# Altium PCB 摄像头.PcbDoc
Units mil, origin at the board's own origin, x right, y up, seen from the top; angles counter-clockwise.
Board outline 1047.24 x 826.77 mil, 2 copper layers (Top Layer, Bottom Layer); 23 components, 26 nets, 113 pads, 29 vias.
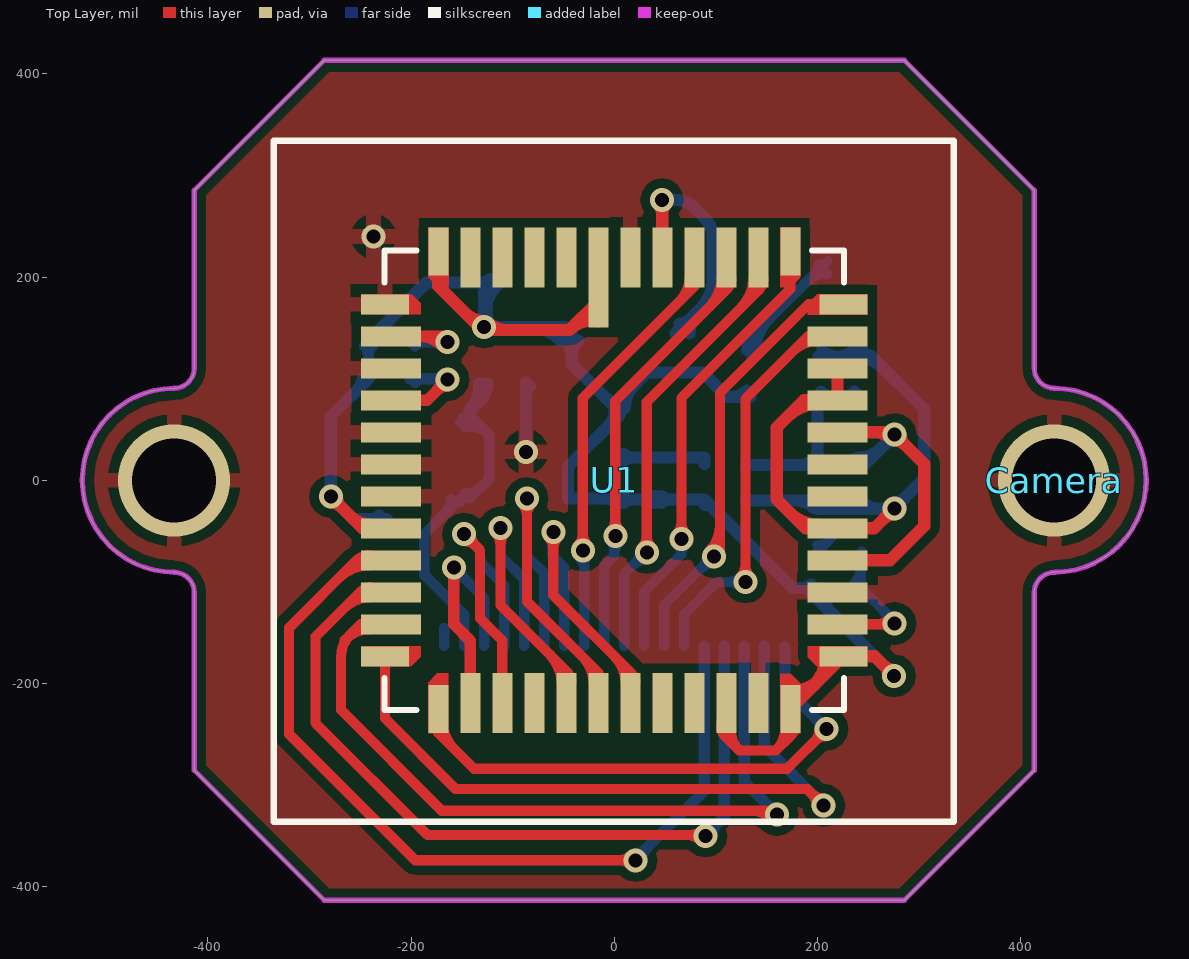
[diagram p0: Top Layer view]
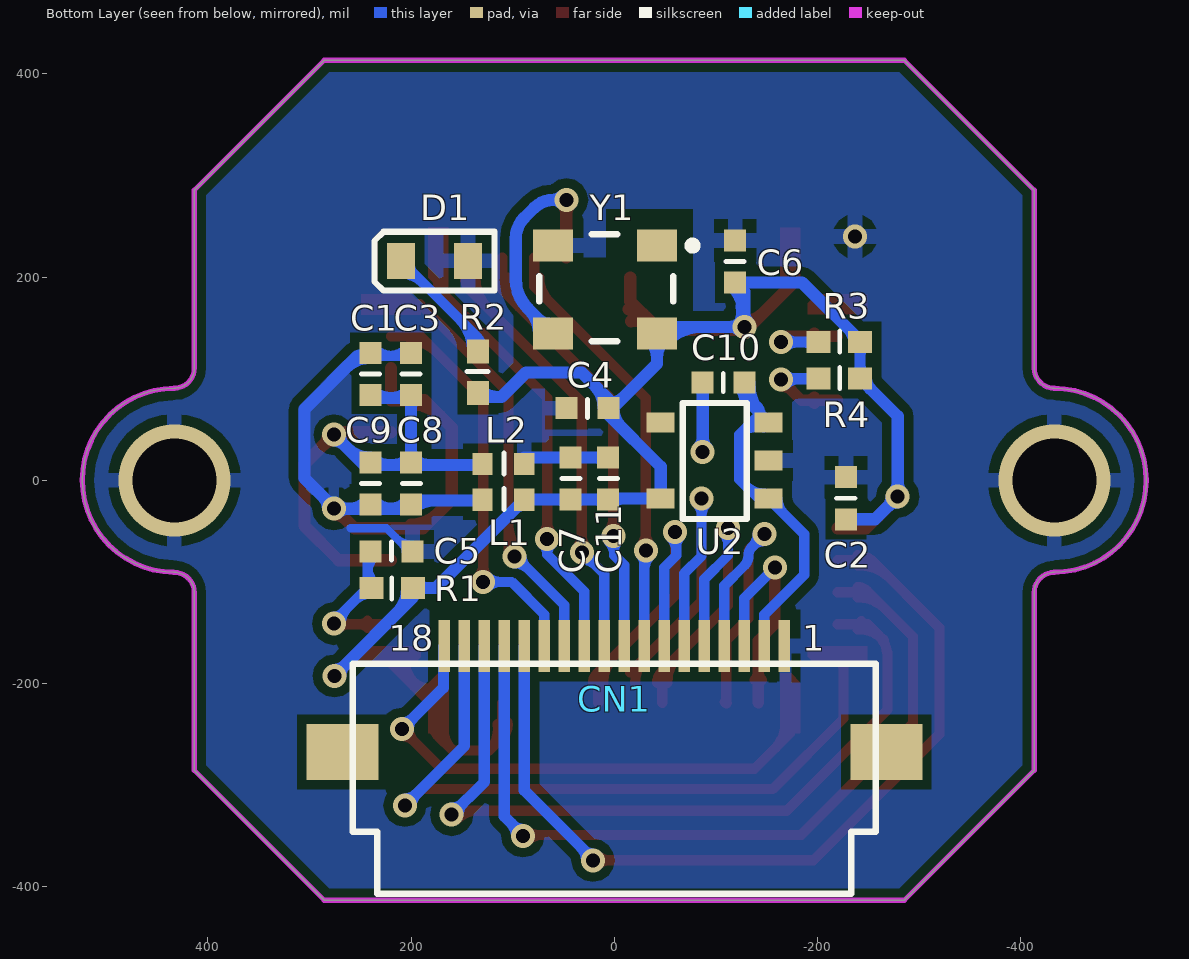
[diagram p1: Bottom Layer view, seen from below]
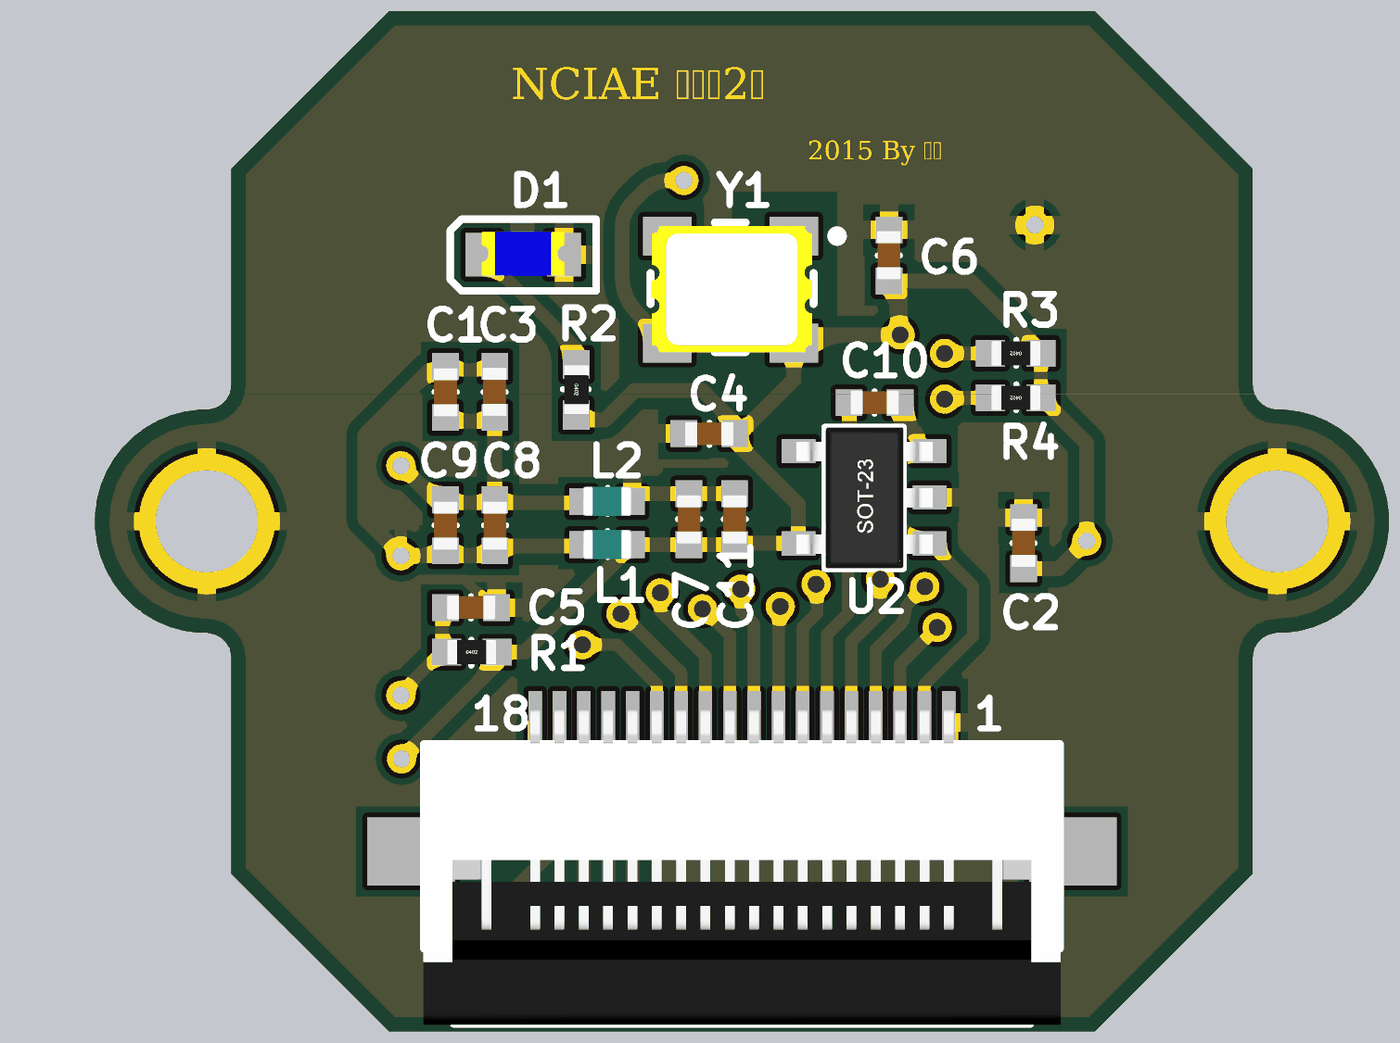
[diagram p2: 3D render of the assembled board from below, using the file's embedded part models]

## Layer stack, top to bottom
Top Layer: signal copper 1.4
Dielectric: dielectric 12.6, FR-4, Dk 4.8
Bottom Layer: signal copper 1.4

## Board outline
-413.39,-285.43 -413.39,-110.36 ccw(c-433.07,-110.36) -433.07,-90.68 -433.07,-90.55 cw(c-433.07,0) -433.07,90.55 -433.07,90.68 ccw(c-433.07,110.36) -413.39,110.36 -413.39,285.43 -285.43,413.39 285.43,413.39 413.39,285.43 413.39,110.36 ccw(c433.07,110.36) 433.07,90.68 433.07,90.55 cw(c433.07,0) 433.66,-90.55 433.07,-90.68 ccw(c433.07,-110.36) 413.39,-110.36 413.39,-285.43 285.43,-413.39 -285.43,-413.39

## Design rules (kind name [scope] priority, off if disabled: settings)
Clearance [All] p1: gap=8
FabricationTestPointUsage TestPointUsage [All] p1: valid=0 allowmultiple=FALSE
FabricationTestpoint Testpoint [All] p1: side=3 testpointundercomponent=TRUE minsize=40 maxsize=100 preferedsize=60 minholesize=0 maxholesize=40 preferedholesize=32 testpointgrid=1 allowsidetop=TRUE allowsidebottom=TRUE usegrid=TRUE gridtolerance=0.01
PolygonConnect [InNet('GND')] p1: connectstyle=Relief reliefconductorwidth=15 reliefentries=4 polygonreliefangle="90 Angle" airgapwidth=10
PolygonConnect PolygonConnect_1 [All] p2: connectstyle=Relief reliefconductorwidth=10 reliefentries=4 polygonreliefangle="90 Angle" airgapwidth=10
RoutingVias [All] p1: holewidth=28 width=50 viastyle="Through Hole" minholewidth=28 minwidth=50 maxholewidth=28 maxwidth=50
SilkToSolderMaskClearance SilkscreenOverComponentPads [IsPad] p1: minsilkscreentomaskgap=10 clearancetoexposedcopper=TRUE
SolderMaskExpansion [All] p1: expansion=4
Width [All] p1: maxlimit=20 minlimit=8 preferedwidth=10
25 further rules are at their usual default settings.

## Components (designator, comment, footprint, x,y, rotation, side; value= is the part's Value field where it differs from the comment)
C1 "0.1uf" CAP-0402 240,84 r90 bottom
C2 "0.1uf" CAP-0402 -228,3 r270 bottom
C3 "0.1uf" CAP-0402 200,125.37 r270 bottom
C4 "0.1uf" CAP-0402 47,71 r180 bottom
C5 "0.1uf" CAP-0402 198.61,-70 r0 bottom
C6 "0.1uf" CAP-0402 -119,236 r270 bottom
C7 "10nf" CAP-0402 43,-19 r90 bottom
C8 "0.1uf" CAP-0402 200,-24 r90 bottom
C9 "10nf" CAP-0402 240,-24 r90 bottom
C10 "0.1uf" CAP-0402 -128,96 r0 bottom
C11 "4.7uf" CAP-0402 6,-19 r90 bottom
Camera "Camera" Camera 433,0 r180 top locked
CN1 "CON-18X1" HEADER-FPC-ZIF-SMD-Horizontal-0.5-18 0,-163 r270 bottom
D1 "LED" LED-BLU-0603 210,216 r0 bottom
L1 "100OHM@100MHZ" "Chip Inductor-0402_100505" 90,-19 r0 bottom
L2 "100OHM@100MHZ" "Chip Inductor-0402_100505" 90,16 r0 bottom
R1 "10K" RES-0402 239,-106 r180 bottom
R2 "1K" RES-0402 134,126.98 r270 bottom
R3 "1K" RES-0402 -242,136 r0 bottom
R4 "1K" RES-0402 -242,100 r0 bottom
U1 "MT9V034" CLCC-48-11.43X11.43 0,0 r0 top locked
U2 "ME6211-3.3" SOT-23-5 -152,-18 r0 bottom
Y1 "26.6MHZ/3.3V" XTAL-OSC-3225 -42,231 r0 bottom

## Footprints (in the part's own frame and the unit in brackets; to place one, negate y for a bottom-side part, rotate by r counter-clockwise, add the part's x,y. Pads: shape width x height; smd on the part's side, far side on the other; paste and mask are expansions set on the pad)
Camera [mil]
  silkscreen extent 99,-334 768,336, body extent -86,-395 947,394, height 889
CAP-0402 [mm]
  rect 0.55x0.55 smd: 1(0,0) 2(1.051,0)
  silkscreen extent 0.53,-0.23 0.53,0.22, body extent 0.02,-0.25 1.02,0.25, height 0.49
"Chip Inductor-0402_100505" [mil]
  rect 20x22 smd: 1(-1.31,-0.01) 2(39.69,-0.01)
  silkscreen extent 19,-11 19,10, body extent -1,-12 39,12, height 19
CLCC-48-11.43X11.43 [mm]
  rect 0.5x2.5 smd: 1(-0.4,5.071)
  rect 0.5x1.5 smd: 2(-1.2,5.571) 3(-2,5.571) 4(-2.8,5.571) 5(-3.6,5.571) 20(-3.6,-5.571) 21(-2.8,-5.571) 22(-2,-5.571) 23(-1.2,-5.571) 24(-0.4,-5.571) 25(0.4,-5.571) 26(1.2,-5.571) 27(2,-5.571) 28(2.8,-5.571) 29(3.6,-5.571) 44(3.6,5.571) 45(2.8,5.571) 46(2,5.571) 47(1.2,5.571) 48(0.4,5.571)
  rect 0.5x1.2 smd: 6(-4.4,5.721) 19(-4.4,-5.721) 30(4.4,-5.721) 43(4.4,5.721)
  rect 1.2x0.5 smd: 7(-5.729,4.4) 18(-5.729,-4.4) 31(5.729,-4.4) 42(5.729,4.4)
  rect 1.5x0.5 smd: 8(-5.579,3.6) 9(-5.579,2.8) 10(-5.579,2) 11(-5.579,1.2) 12(-5.579,0.4) 13(-5.579,-0.4) 14(-5.579,-1.2) 15(-5.579,-2) 16(-5.579,-2.8) 17(-5.579,-3.6) 32(5.579,-3.6) 33(5.579,-2.8) 34(5.579,-2) 35(5.579,-1.2) 36(5.579,-0.4) 37(5.579,0.4) 38(5.579,1.2) 39(5.579,2) 40(5.579,2.8) 41(5.579,3.6)
  Top Layer region: 5.08,4.652 6.327,4.652 6.327,4.144 4.841,4.144 4.841,4.413
  Top Layer region: 4.652,-5.072 4.652,-6.319 4.144,-6.319 4.144,-4.833 4.413,-4.833
  Top Layer region: -5.08,-4.652 -6.327,-4.652 -6.327,-4.144 -4.841,-4.144 -4.841,-4.413
  Top Layer region: 4.15,6.321 4.15,4.827 4.42,4.827 4.65,5.057 4.65,6.321
  Top Layer region: 6.33,-4.15 4.835,-4.15 4.835,-4.42 5.066,-4.65 6.33,-4.65
  Top Layer region: -4.151,-6.321 -4.151,-4.827 -4.42,-4.827 -4.651,-5.057 -4.651,-6.321
  Top Layer region: -6.33,4.15 -4.835,4.15 -4.835,4.42 -5.066,4.651 -6.33,4.651
  Top Layer region: -4.652,5.072 -4.652,6.319 -4.144,6.319 -4.144,4.833 -4.413,4.833
  silkscreen extent -5.74,-5.74 5.74,5.74, body extent -5.75,-5.71 5.7,5.73, height 2.2
HEADER-FPC-ZIF-SMD-Horizontal-0.5-18 [mm]
  rect 1.4x1.8 smd: 0(2.65,-6.8) 0(2.65,6.8)
  rect 1.3x0.28 smd: 1(0,4.25) 2(0,3.75) 3(0,3.25) 4(0,2.75) 5(0,2.25) 6(0,1.75) 7(0,1.25) 8(0,0.75) 9(0,0.25) 10(0,-0.25) 11(0,-0.75) 12(0,-1.25) 13(0,-1.75) 14(0,-2.25) 15(0,-2.75) 16(0,-3.25) 17(0,-3.75) 18(0,-4.25)
  silkscreen extent 0.44,-6.54 6.2,6.54, body extent -0.27,-6.55 6.23,6.55, height 2.2
LED-BLU-0603 [mm]
  rect 0.7x0.9 smd: A(0,0) K(-1.676,0)
  silkscreen extent -2.34,-0.73 0.66,0.75, body extent -1.69,-0.47 0.01,0.43, height 0.9
RES-0402 [mm]
  rect 0.6x0.55 smd: 1(0,0) 2(1.041,0)
  silkscreen extent 0.51,-0.28 0.51,0.25, body extent 0.02,-0.25 1.02,0.25, height 0.35
SOT-23-5 [mm]
  rect 0.7x0.5 smd: 1(0,0) 2(0,-0.95) 3(0,-1.9) 4(2.7,-1.9) 5(2.7,0)
  silkscreen extent 0.55,-2.39 2.15,0.51, body extent -0.06,-2.39 2.74,0.51, height 1.45
XTAL-OSC-3225 [mm]
  rect 1x0.8 smd: 1(0,0) 2(2.6,0) 3(2.6,2.2) 4(0,2.2)
  silkscreen extent -0.99,-0.28 2.95,2.39, body extent -0.38,-0.21 2.92,2.39, height 1.1

## Part data
C1 C2 C3 C4 C5 C6 C7 C8 C9 C10 C11: library part Cap
L1 L2: library part Inductor
R1 R2 R3 R4: library part Res
U2: library part LDO
Y1: library part XTAL-OSC

## Via types
v1: diameter 23.62, hole 13.78, Top Layer to Bottom Layer, 27 vias
v2: diameter 110.24, hole 82.68, Top Layer to Bottom Layer, 2 vias

## Nets (pads, with @x,y where several pads share a name; then routed paths per layer and width w, separated by ;. In a path a pad name is that pad's centre, name@x,y a point inside that pad or via, vN(x,y) a via of type N, cw(c..) or ccw(c..) an arc to the next point about the centre after c; other vN are vias at no path point)
5V_IN: C10.1 CN1.2 U2.1 U2.3 | length 552.8
  Bottom Layer w10: -166.99,-32.99 ccw(c-181.98,-18) U2.1@-160.78,-18 ; U2.3@-149.15,61.84 cw(c-146.12,47.81) -135.96,57.96 ; U2.3@-148.69,60.11 ccw(c-184.58,96) C10.1@-133.83,96 ; U2.1@-148.06,-13.16 ccw(c-148.06,13.17) -129.45,-5.45 ; CN1.2 -147.64,-132.36 -187,-93 -187,-53 -156,-22 -152,-22 U2.1 -142,-18 -123,1 -123,45 -134.8,56.8 U2.3 -128,80.8 C10.1 ; U2.3@-147.04,52.07 cw(c-141.5,26.5) -123,45 ; U2.3@-144.64,53.38 cw(c-136.37,45.11) -136.37,56.8 cw(c-136.37,68.49) U2.3@-144.64,60.23 ; U2.3@-143.39,58.06 cw(c-124.84,63.03) -141.47,72.62 ; U2.3@-143.22,56.8 cw(c-122.02,56.8) -137.01,71.79 ; C10.1@-132.12,91.88 cw(c-142.07,81.93) -128,81.93 cw(c-113.93,81.93) C10.1@-123.88,91.88 ; -131.62,77.18 ccw(c-150.44,96) C10.1@-123.83,96
AGND: C1.1 C3.2 C8.2 C9.2 L2.2 U1.34 U1.38 | length 726.8
  Top Layer w12: U1.34 271.27,-78.73 305,-45 305,16 v1(276,45) ; U1.38 v1@273.75,47.25 ; 256.53,47.25 cw(c256.53,25.53) v1@271.89,40.89 ; v1@276,39.19 cw(c276,25.16) 285.92,35.08 cw(c295.84,45) v1@281.81,45
  Bottom Layer w12: L2.2@129.69,15.01 C8.2@200,15.01 ; 182.64,15.01 ccw(c182.64,34.73) 196.59,20.78 ccw(c188.35,29.02) 200,29.02 ccw(c211.65,29.02) 203.41,20.78 ccw(c217.36,34.73) 217.36,15.01 ; C3.2@196.59,80.59 cw(c188.35,72.35) 200,72.35 cw(c211.65,72.35) C3.2@203.41,80.59 ; C8.2@200,13.37 C8.2@200,15.01 ; C3.2@203.41,87.41 ccw(c218.9,102.9) 218.9,81 ; 221.1,81 ccw(c221.1,102.9) C1.1@236.59,87.41 ; 222.64,15.01 ccw(c222.64,34.73) C9.2@236.59,20.78 ; C9.2@240,22.2 ccw(c240,54.06) 262.53,31.53 ; C1.1@240,81 200,81 C8.2@200,15.01 ; v1@270.19,45 cw(c256.16,45) 266.08,35.08 cw(c276,25.16) v1@276,39.19 ; v1(276,45) 244.37,13.37 240,13.37 238.36,15.01 C8.2@200,15.01
DOUT0: CN1.9 U1.45 | length 547.1
  Top Layer w10: v1@-3.82,-50.18 ccw(c-15.44,-38.56) 1,-38.56 ccw(c17.44,-38.56) v1@5.82,-50.18 ; v1(1,-55) 1,78 110.23,187.23 U1.45 ; 93.19,170.19 ccw(c63.74,199.64) U1.45@105.39,199.64 ; U1.45@106.8,196.21 cw(c98.54,187.95) 110.23,187.95 cw(c121.92,187.95) U1.45@113.65,196.21 ; 110.26,187.26 ccw(c97.88,199.64) U1.45@115.39,199.64
  Bottom Layer w10: CN1.9 -9.84,-83.64 0,-73.8 v1@0,-56 ; v1@-3.82,-59.82 cw(c-13.03,-69.03) 0,-69.03 ; 0,-73.82 cw(c19.77,-73.82) v1@5.81,-59.82
DOUT1: CN1.10 U1.44 | length 556.8
  Top Layer w10: v1@27.18,-66.18 ccw(c15.56,-54.56) 32,-54.56 ccw(c48.44,-54.56) v1@36.82,-66.18 ; v1(32,-71) 32,77 141.72,186.72 U1.44 ; 124.33,169.33 ccw(c94.01,199.64) U1.44@136.88,199.64 ; U1.44@138.3,196.21 cw(c130.03,187.95) 141.72,187.95 cw(c153.42,187.95) U1.44@145.15,196.21 ; 141.4,186.4 ccw(c128.16,199.64) U1.44@146.88,199.64
  Bottom Layer w10: CN1.10 9.84,-92.21 v1@29.55,-72.5 ; 18.76,-83.3 cw(c32,-96.54) v1@32,-77.81 ; 21.04,-81.01 ccw(c11.03,-71) v1@25.19,-71
  Bottom Layer w11: v1@29.55,-72.5 v1@33.5,-72.5
DOUT2: CN1.11 U1.43 | length 514.3
  Top Layer w10: v1@61.18,-53.18 ccw(c49.56,-41.56) 66,-41.56 ccw(c82.44,-41.56) v1@70.82,-53.18 ; v1(66,-58) 66,81 173.22,188.22 U1.43 ; U1.43@169.8,208.02 cw(c161.53,199.76) 173.22,199.76 cw(c184.91,199.76) U1.43@176.64,208.02
  Bottom Layer w10: CN1.11 29.53,-109.47 66,-73 v1(66,-58) ; v1@61.52,-63.13 cw(c52.89,-73) 66,-73 cw(c79.11,-73) v1@70.48,-63.13
DOUT3: CN1.12 U1.42 | length 504.6
  Top Layer w10: v1@93.18,-70.18 ccw(c67.07,-44.07) 104,-44.07 ; v1(98,-75) 97,-75 104,-68 104,86 191.24,173.24 U1.42 ; U1.42@208.36,169.81 ccw(c200.09,161.55) 200.09,173.24 ccw(c200.09,184.93) U1.42@208.36,176.66
  Bottom Layer w10: CN1.12 49.21,-122.79 97,-75 v1(98,-75) ; 84.67,-87.33 cw(c98,-100.67) v1@98,-81.81 ; 87.08,-84.92 ccw(c77.16,-75) v1@91.19,-75
DOUT4: CN1.13 U1.41 | length 478.9
  Top Layer w10: v1@124.18,-95.18 ccw(c112.56,-83.56) 129,-83.56 ccw(c145.44,-83.56) v1@133.82,-95.18 ; v1(129,-100) 129,80 190.74,141.74 U1.41 ; 175.95,126.95 cw(c199.97,102.93) U1.41@199.97,136.9
  Bottom Layer w10: CN1.13 68.9,-132.1 101,-100 v1(129,-100) ; v1@124.18,-104.82 ccw(c112.56,-116.44) 112.56,-100 ccw(c112.56,-83.56) v1@124.18,-95.18
DOUT5: CN1.14 U1.15 | length 984.5
  Top Layer w10: -272.19,-97.19 cw(c-239.34,-130.04) U1.15@-239.34,-83.58 ; -255.12,-80.12 cw(c-239.34,-95.9) U1.15@-239.34,-73.58 ; U1.15@-242.76,-82.16 ccw(c-251.03,-90.43) -251.03,-78.74 ccw(c-251.03,-67.05) U1.15@-242.76,-75.32 ; U1.15 -253.74,-78.74 -320,-145 -320,-250 -196,-374 v1(21,-374) ; v1@16.18,-378.82 ccw(c4.56,-390.44) 4.56,-374 ccw(c4.56,-357.56) v1@16.18,-369.18
  Bottom Layer w11: v1@21,-371 23,-371 88.58,-305.42 CN1.14 ; v1@21,-367.69 ccw(c21,-354.87) 30.07,-363.93 ; v1@27.31,-374 cw(c44.96,-374) 32.48,-361.52
DOUT6: CN1.15 U1.16 | length 911.1
  Top Layer w10: -266.21,-126.21 cw(c-239.34,-153.08) U1.16@-239.34,-115.08 ; U1.16@-249.14,-109.14 cw(c-239.34,-118.94) U1.16@-239.34,-105.08 ; U1.16@-242.93,-113.48 ccw(c-250.24,-120.08) -250.24,-110.24 ; U1.16@-242.93,-106.99 cw(c-250.24,-100.4) -250.24,-110.24 ; U1.16 -250.24,-110.24 ; 71.14,-349 cw(c71.14,-368.86) v1@85.18,-354.82 ; 75.97,-349 ccw(c75.97,-335.97) v1@85.18,-345.18 ; v1@88,-349 -184,-349 -294,-239 -294,-154 -250.24,-110.24 ; v1@89,-349.19 89.19,-349.19 v1(90,-350)
  Top Layer w11: v1@88,-349 v1@91,-346
  Bottom Layer w11: v1@90,-349 108.27,-330.73 CN1.15 ; v1@90,-343.69 ccw(c90,-330.87) 99.07,-339.93 ; v1@96.31,-350 cw(c113.96,-350) 101.48,-337.52
DOUT7: CN1.16 U1.17 | length 863.1
  Top Layer w10: -265.35,-157.35 cw(c-239.34,-183.36) U1.17@-239.34,-146.57 ; U1.17@-243.05,-144.85 ccw(c-249.73,-150.46) -249.73,-141.73 ; U1.17@-243.05,-138.62 cw(c-249.73,-133) -249.73,-141.73 ; U1.17 -249.73,-141.73 ; 134.36,-325.19 cw(c134.36,-354.64) v1@155.18,-333.82 ; v1(160,-329) 156.19,-325.19 -169.81,-325.19 -269,-226 -269,-174 cw(c-237.62,-174) -259.82,-151.82 -249.73,-141.73
  Bottom Layer w11: CN1.16 127.95,-296.95 v1(160,-329) ; v1@153.69,-329 ccw(c138.45,-329) 149.23,-318.23 ccw(c160,-307.45) v1@160,-322.69
DOUT8: CN1.17 U1.18 | length 777.5
  Top Layer w10: U1.18@-228.98,-176.65 cw(c-237.25,-184.92) -225.56,-184.92 cw(c-213.87,-184.92) U1.18@-222.13,-176.65 ; U1.18 -225.56,-234.44 -156,-304 190,-304 v1(206,-320) ; v1@199.19,-320 ccw(c182.75,-320) 194.37,-308.37 ccw(c206,-296.75) v1@206,-313.19
  Bottom Layer w11: CN1.17 147.64,-261.64 v1(206,-320) ; v1@199.69,-320 ccw(c184.45,-320) 195.23,-309.23 ccw(c206,-298.45) v1@206,-313.69
DOUT9: CN1.18 U1.19 | length 612
  Top Layer w10: U1.19 -173.24,-248.76 -138,-284 170,-284 v1(209,-245) ; U1.19@-168.39,-239.01 ccw(c-133.15,-239.01) -158.07,-263.93 ; v1@202.19,-245 cw(c185.75,-245) 197.37,-256.63 cw(c209,-268.25) v1@209,-251.81
  Bottom Layer w11: CN1.18@168.16,-163.84 168.16,-204.16 v1(209,-245) ; v1@202.69,-245 ccw(c187.45,-245) 198.23,-234.23 ccw(c209,-223.45) v1@209,-238.69
EXPOSURE: CN1.5 U1.23 | length 439.4
  Top Layer w10: v1@-116.82,-51.82 cw(c-128.44,-63.44) -112,-63.44 cw(c-95.56,-63.44) v1@-107.18,-51.82 ; v1(-112,-47) -112,-123 -47.25,-187.75 U1.23 ; -63.93,-171.07 cw(c-92.49,-199.64) U1.23@-52.09,-199.64 ; U1.23@-50.68,-196.21 ccw(c-58.94,-187.95) -47.25,-187.95 ccw(c-35.56,-187.95) U1.23@-43.83,-196.21 ; -46.86,-188.14 cw(c-58.35,-199.64) U1.23@-42.09,-199.64
  Bottom Layer w10: v1@-116.82,-51.82 cw(c-128.44,-63.44) -112,-63.44 cw(c-95.56,-63.44) v1@-107.18,-51.82 ; v1(-112,-47) -112,-74 -88.58,-97.42 CN1.5
GND: C2.1 C4.1 C5.1 C6.1 C7.2 C10.2 C11.2 CN1.1 D1.K L2.1 U1.7 U1.9 U1.11 U1.12 U1.13 U1.29 U1.33 U1.48 U2.2 Y1.2 | length 323.4
  Bottom Layer w8: C5.1 201.36,-70 224.19,-47.17 259.36,-47.17 ; C5.1@198.61,-63.17 ccw(c198.61,-40.06) 214.96,-56.4 ; C5.1@205.44,-70 cw(c215.29,-70) C5.1@208.33,-63.03
  Bottom Layer w10: CN1.1 CN1.1@-167.32,-145.68
  Bottom Layer w12: v1@-91.11,32.11 ccw(c-101.03,42.03) -87,42.03 ccw(c-72.97,42.03) v1@-82.89,32.11 ; v1(-87,28) -87,95.63 C10.2 C10.2@-85,94.37 ; -87,83.45 cw(c-74.08,83.45) C10.2@-83.22,92.59 ; C11.2 C7.2 88.69,22.37 L2.1 ; C11.2@9.41,18.96 cw(c17.65,10.72) 17.65,22.37 cw(c17.65,34.02) C11.2@9.41,25.78
  other v1: -237,240
  other v2: -433.14,0 433,0
HSYNC: CN1.3 U1.20 | length 246
  Top Layer w11: v1(-158,-86) -158,-141.67 -141.74,-157.93 U1.20 ; U1.20@-144.81,-196.57 ccw(c-152.22,-189.15) -141.74,-189.15 ccw(c-131.26,-189.15) U1.20@-138.67,-196.57
  Bottom Layer w10: v1(-158,-86) -127.95,-116.05 CN1.3
I2C_SCL: CN1.7 U1.25 | length 422.4
  Top Layer w10: v1@-64.82,-55.82 cw(c-76.44,-67.44) -60,-67.44 cw(c-43.56,-67.44) v1@-55.18,-55.82 ; v1(-60,-51) -60,-113 15.74,-188.74 ; -0.23,-172.77 cw(c-27.1,-199.64) U1.25@10.9,-199.64 ; U1.25@12.49,-196.04 ccw(c5.9,-188.74) 15.74,-188.74 ; U1.25 15.74,-188.74 ; U1.25@16.84,-189.84 cw(c7.04,-199.64) U1.25@20.9,-199.64 ; U1.25@18.99,-196.04 cw(c25.58,-188.74) 15.74,-188.74
  Bottom Layer w10: v1@-64.82,-55.82 cw(c-74.03,-65.03) -61,-65.03 ; -61,-69.86 cw(c-41.14,-69.86) v1@-55.18,-55.82 ; v1@-61,-54 -61,-74.09 -49.21,-85.88 CN1.7
I2C_SDA: CN1.6 U1.24 | length 433
  Top Layer w10: v1@-90.82,-22.82 cw(c-102.44,-34.44) -86,-34.44 cw(c-69.56,-34.44) v1@-81.18,-22.82 ; v1(-86,-18) -86,-119 -15.76,-189.24 ; -31.37,-173.63 cw(c-57.38,-199.64) U1.24@-20.6,-199.64
  Bottom Layer w10: v1@-90.82,-22.82 cw(c-102.44,-34.44) -86,-34.44 cw(c-69.56,-34.44) v1@-81.18,-22.82 ; v1(-86,-18) -86,-74.54 -68.9,-91.65 CN1.6
NetC5_2: C5.2 R1.1 U1.32 | length 266.8
  Top Layer w10: U1.32 275.28,-141.72 v1(276,-141) ; U1.32@242.76,-145.15 cw(c251.03,-153.42) 251.03,-141.72 cw(c251.03,-130.03) U1.32@242.76,-138.3 ; 257.81,-141.72 ccw(c257.81,-122.81) v1@271.18,-136.18 ; 261.31,-141.72 cw(c261.31,-155.69) v1@271.18,-145.82
  Bottom Layer w10: R1.1@235.86,-101.88 ccw(c218.64,-84.65) 243,-84.65 ; C5.2@235.86,-74.12 cw(c218.64,-91.35) 243,-91.35 ; R1.1@239.98,-111.83 cw(c239.98,-133.17) 255.08,-118.08 ; C5.2@243.98,-70 243,-70.98 243,-106 276,-139 v1(276,-141) ; 262.96,-125.96 cw(c247.92,-141) v1@269.19,-141 ; 267.79,-130.79 ccw(c276,-122.57) v1@276,-134.19
NetD1_A: D1.A R2.1 | length 223.7
  Bottom Layer w10: R2.1@129.83,127.97 cw(c148.8,127.97) 135.38,141.38 ; R2.1@130.39,132.54 ccw(c124.49,140) 134,140 ; R2.1@134,122.98 134,140 ; R2.1@137.61,132.54 cw(c143.51,140) 134,140 ; R2.1@139.83,127.97 cw(c182.94,127.97) 152.45,158.45 ; 188.29,194.29 cw(c210,172.58) D1.A@210,203.28 ; D1.A@197.8,203.8 ccw(c189.53,212.06) D1.A@201.22,212.06 ; D1.A 134,140
NetR3_2: R3.2 U1.8 | length 183
  Top Layer w11: U1.8 -169.73,141.73 v1(-164,136) ; U1.8@-196.9,138.66 cw(c-189.48,131.25) -189.48,141.73 cw(c-189.48,152.22) U1.8@-196.9,144.8 ; U1.8@-193.07,141.73 cw(c-193.07,106.93) v1@-168.46,131.54
  Bottom Layer w11: R3.2 v1(-164,136) ; R3.2@-196.25,132.23 cw(c-187.16,123.14) -187.16,136 cw(c-187.16,148.86) R3.2@-196.25,139.77 ; v1@-168.46,131.54 ccw(c-179.24,120.76) -179.24,136 ccw(c-179.24,151.24) v1@-168.46,140.46
NetR4_2: R4.2 U1.10 | length 186
  Top Layer w11: U1.10 -184.26,78.74 v1(-164,99) ; U1.10@-196.9,75.67 cw(c-189.48,68.26) -189.48,78.74 cw(c-189.48,89.22) U1.10@-196.9,81.81 ; v1@-170.31,99 cw(c-185.55,99) -174.77,88.23 cw(c-164,77.45) v1@-164,92.69
  Bottom Layer w11: R4.2 -165,100 v1(-164,99) ; R4.2@-196.25,96.23 cw(c-187.16,87.14) -187.16,100 cw(c-187.16,112.86) R4.2@-196.25,103.77 ; -181.65,100 cw(c-181.65,81.35) v1@-168.46,94.54 ; -176.82,100 ccw(c-176.82,111.82) v1@-168.46,103.46
PIXCLK: CN1.8 U1.46 | length 504.5
  Top Layer w10: v1@-35.82,-64.18 ccw(c-47.44,-52.56) -31,-52.56 ccw(c-14.56,-52.56) v1@-26.18,-64.18 ; v1(-31,-69) -31,81 78.73,190.73 U1.46 ; 64.17,176.17 ccw(c40.7,199.64) U1.46@73.89,199.64
  Bottom Layer w10: v1@-35.82,-73.82 cw(c-51,-89) -29.53,-89 ; CN1.8 v1@-29.53,-70 ; -29.53,-81.89 cw(c-18.11,-81.89) v1@-26.18,-73.82
SYSCLK: U1.47 Y1.3 | length 315.2
  Top Layer w12: v1@42.89,271.89 cw(c32.4,261.4) 47.24,261.4 ; v1(47,276) 47.24,275.76 U1.47 ; 47.24,262.54 cw(c60.46,262.54) v1@51.11,271.89
  Bottom Layer w12: v1(47,276) 60,276 cw(c60,249.44) 78.78,268.22 88.51,258.49 cw(c68.03,238) 97,238 97,198 cw(c56.02,198) 85.05,169.07 cw(c56.02,198) 85,169.03 83.72,167.75 ; v1@51.11,271.89 cw(c61.03,261.97) 61.03,276 cw(c61.03,290.03) v1@51.11,280.11 ; Y1.3 83.72,167.75 ; Y1.3@64.3,154.13 ccw(c64.3,168.16) Y1.3@74.22,158.24 ; Y1.3@74.05,144.39 cw(c107.09,144.39) 83.72,167.75
VAA: C1.2 C3.1 C8.1 C9.1 L1.2 U1.35 U1.39 U1.40 | length 979.1
  Top Layer w12: 170.84,62.84 cw(c199.97,33.71) U1.39@199.97,74.91 ; 173.38,-32.38 ccw(c199.97,-5.79) U1.35@199.97,-43.39 ; U1.40 U1.39 186.75,78.75 160,52 160,-19 188.24,-47.24 U1.35 255.76,-47.24 v1@275,-28 ; 264.37,-38.63 cw(c276,-50.25) v1@276,-33.81 ; 266.79,-36.21 ccw(c258.57,-28) v1@270.19,-28
  Bottom Layer w10: C3.1@200,122.37 C1.2@240,122.37 ; C3.1@204.12,129.49 ccw(c221.31,146.68) 221.31,122.37 ; 218.69,122.37 ccw(c218.69,146.68) C1.2@235.88,129.49
  Bottom Layer w12: L1.2@129.69,-19.99 193.99,-19.99 C8.1@202,-28 ; 178.67,-19.99 cw(c178.67,-45.33) C8.1@196.59,-27.41 ; C8.1@200,-28 C8.1@202,-28 ; C8.1@203.41,-20.59 ccw(c221.31,-2.69) 221.31,-28 ; 218.69,-28 ccw(c218.69,-2.69) C9.1@236.59,-20.59 ; C1.2@240,120.54 cw(c240,85.64) 264.68,110.32 ; C1.2@240,122.37 252.63,122.37 ; C9.1@243.41,-20.59 ccw(c261.31,-2.69) 261.31,-28 ; C1.2@244.32,127.52 ccw(c252.63,131.65) 252.63,122.37 ; v1@271.89,-32.11 ccw(c261.97,-42.03) 261.97,-28 ccw(c261.97,-13.97) v1@271.89,-23.89 ; v1@276,-22.19 ccw(c276,-10.57) 284.21,-18.79 ; v1@281.81,-28 cw(c298.25,-28) 286.63,-16.37 ; C8.1@202,-28 240,-28 275,-28 305,2 305,70 252.63,122.37
  other v1: 276,-28
VCC: C2.2 C4.2 C6.2 C7.1 C11.1 L1.1 R1.2 R2.2 R3.1 R4.1 U1.1 U1.6 U1.14 U1.28 U1.30 U1.31 U2.5 Y1.4 | length 2759.2
  Top Layer w10: U1.28@105.16,-238.04 ccw(c121.2,-241.11) 109.65,-252.65 ; U1.28@106.8,-242.43 cw(c98.54,-250.7) 110.23,-250.7 cw(c121.92,-250.7) U1.28@113.65,-242.43 ; U1.28 110.23,-253.23 123,-266 159,-266 173.22,-251.78 U1.30 ; U1.28@114.98,-239.92 ccw(c143.6,-245.4) 123,-266 ; 159,-266 ccw(c135.88,-242.88) U1.30@168.4,-239.51 ; U1.30@169.8,-242.43 cw(c161.53,-250.7) 173.22,-250.7 cw(c184.91,-250.7) U1.30@176.64,-242.43 ; 173.85,-251.15 ccw(c162.79,-240.09) U1.30@178.35,-238.48
  Top Layer w12: v1@-279,-21.81 cw(c-279,-35.84) -269.08,-25.92 cw(c-259.16,-16) v1@-273.19,-16 ; v1(-279,-16) -247.76,-47.24 U1.14 ; -260.27,-34.73 ccw(c-239.34,-13.8) U1.14@-239.34,-43.4 ; U1.6 -173.24,191.24 -130,148 -44,148 -15.76,176.24 U1.1 ; -146.46,164.46 ccw(c-128,182.91) v1@-128,156.81 ; v1@-123.89,155.11 ccw(c-106.73,172.27) -106.73,148 ; -44,148 cw(c-22.2,126.2) U1.1@-16.47,156.49 ; -27.94,164.06 cw(c-17.09,153.2) U1.1@-14.24,168.28 ; U1.30 225.23,-173.22 U1.31 256.22,-173.22 v1(275.5,-192.5) ; U1.30@173.22,-219.61 ccw(c173.22,-206.03) U1.30@182.82,-215.63 ; U1.30@173.22,-207.61 ccw(c173.22,-165.06) 203.3,-195.15 ; 195.71,-202.74 ccw(c166.19,-173.22) U1.31@207.94,-173.22 ; U1.31@216.2,-182.25 ccw(c207.16,-173.22) U1.31@219.94,-173.22 ; v1@269.69,-192.5 ccw(c255.66,-192.5) 265.58,-182.58 ccw(c275.5,-172.66) v1@275.5,-186.69
  Bottom Layer w11: R4.1@-245.77,103.77 ccw(c-254.86,112.86) -242,112.86 ccw(c-229.14,112.86) R4.1@-238.23,103.77 ; R3.1@-245.77,132.23 cw(c-254.86,123.14) -242,123.14 cw(c-229.14,123.14) R3.1@-238.23,132.23 ; R4.1 R3.1
  Bottom Layer w12: v1@-283.11,-11.89 ccw(c-293.03,-1.97) -279,-1.97 ccw(c-264.97,-1.97) v1@-274.89,-11.89 ; v1@-279,-21.81 cw(c-279,-35.84) -269.08,-25.92 cw(c-259.16,-16) v1@-273.19,-16 ; R4.1@-251.92,90.08 ccw(c-261.84,100) R4.1@-247.81,100 ; R4.1 -279,63 v1(-279,-16) -256.63,-38.37 C2.2@-224,-38.37 ; R3.1 -242,137.44 -184.81,194.63 C6.2 -128,185.63 v1(-128,151) -48.61,151 Y1.4 -42,114.63 C4.2@1.63,71 ; R3.1@-236.19,136 cw(c-218.69,136) -231.06,148.37 ; C2.2@-231.41,-41.78 ccw(c-239.65,-50.02) -239.65,-38.37 ccw(c-239.65,-26.72) C2.2@-231.41,-34.96 ; v1@-132.11,155.11 ccw(c-142.03,165.03) -128,165.03 ccw(c-113.97,165.03) -123.89,155.11 ccw(c-113.97,165.03) -113.97,151 ccw(c-113.97,136.97) v1@-123.89,146.89 ; v1@-128,161.25 cw(c-85.62,161.25) C6.2@-115.59,191.22 ; -125.27,171.42 ccw(c-102.97,165.45) v1@-122.97,153.91 ; C6.2@-122.41,191.22 ccw(c-130.65,182.98) -130.65,194.63 ccw(c-130.65,206.28) C6.2@-122.41,198.04 ; -85.44,151 cw(c-85.44,104.88) Y1.4@-52.83,137.49 ; Y1.4@-48.89,137.49 cw(c-65.53,120.85) -42,120.85 cw(c-18.47,120.85) Y1.4@-35.11,137.49 ; -9.44,82.07 ccw(c5.63,97.14) C4.2@5.63,75.83 ; -8.07,-18 cw(c-8.07,-33.07) C11.1@2.59,-22.41 ; -7.06,52.03 ccw(c-26.03,71) C4.2@0.8,71 ; C11.1@9.41,-22.41 cw(c17.65,-30.65) 17.65,-19 cw(c17.65,-7.35) C11.1@9.41,-15.59 ; C4.2@10.46,71 cw(c42.94,71) 19.97,93.97 ; C7.1@39.59,-22.41 ccw(c31.35,-30.65) 31.35,-19 ccw(c31.35,-7.35) C7.1@39.59,-15.59 ; C7.1@46.41,-22.41 cw(c54.65,-30.65) 54.65,-19 cw(c54.65,-7.35) C7.1@46.41,-15.59 ; L1.1@87.69,-19.99 86.69,-19 C7.1 C11.1 5,-19 4,-18 U2.5 -45.7,13.38 5.63,64.71 C4.2 5.63,79.63 32,106 87,106 111.02,81.98 R2.2@134,81.98 ; L1.1@88.69,-23.99 cw(c88.69,-36.06) L1.1@97.22,-27.53 ; L1.1 175.69,-106 R1.2 198,-115 v1(275.5,-192.5) ; 115.07,81.98 ccw(c115.07,103.93) R2.2@130.59,88.41 ; R1.2@193.6,-109.41 ccw(c185.36,-117.65) 185.36,-106 ccw(c185.36,-94.35) R1.2@193.6,-102.59 ; R1.2@203.81,-106 ccw(c239.57,-106) 214.28,-131.28 ; v1@269.69,-192.5 ccw(c255.66,-192.5) 265.58,-182.58 ccw(c275.5,-172.66) v1@275.5,-186.69
VSYNC: CN1.4 U1.21 | length 360.7
  Top Layer w10: v1@-148,-59.81 cw(c-148,-76.25) -136.37,-64.63 cw(c-124.75,-53) v1@-141.19,-53 ; v1(-148,-53) -132,-69 -132,-136 -110.24,-157.76 U1.21
  Top Layer w11: U1.21 U1.21@-109,-218.08
  Bottom Layer w10: v1@-148,-59.81 cw(c-148,-76.25) -136.37,-64.63 cw(c-124.75,-53) v1@-141.19,-53 ; v1(-148,-53) -135.89,-65.11 cw(c-145.28,-74.5) -132,-74.5 ccw(c-118.72,-74.5) -128.12,-83.88 -108.27,-103.73 CN1.4
pads on no net: CN1.0 U1.2 U1.3 U1.4 U1.5 U1.22 U1.26 U1.27 U1.36 U1.37 U2.4 Y1.1

## Polygon pours and split planes (outlines as drawn)
GND on Top Layer "Top Layer-No Net" (solid, remove dead copper, pour order 4): 285.43,413.39 -285.43,413.39 -531,413.39 -531,-301 -531,-413.39 -285.43,-413.39 531,-413.39 531,107 531,413.39 279,413.39
GND on Bottom Layer "Top Layer-No Net" (solid, remove dead copper, pour order 6): 285.43,413.39 -285.43,413.39 -538,413.39 -538,-400 -538,-413.39 -285.43,-413.39 536,-413.39 536,76 536,413.39 285.43,413.39
VAA on Bottom Layer "Top Layer-No Net" (solid, remove dead copper, pour order 8): 321.67,153 205,153 205,31.81 205,30.8 149.78,30.8 149,30.8 149,-50 149,-45.96 324,-45.96 322.44,-45.96 322.44,153

## Keep-outs
Keep-Out Layer:
  lines w5: -433.07,-90.68 cw(c-433.07,-110.36) -413.39,-110.36 -413.39,-285.43 -285.43,-413.39 285.43,-413.39 413.39,-285.43 413.39,-110.36 cw(c433.07,-110.36) 433.07,-90.68 ; -433.07,-90.55 cw(c-433.07,0) -433.07,90.55 ; -433.07,90.68 ccw(c-433.07,110.36) -413.39,110.36 -413.39,285.43 -285.43,413.39 285.43,413.39 413.39,285.43 413.39,110.36 ccw(c433.07,110.36) 433.07,90.68 ; 433.07,90.55 cw(c433.07,0) 433.66,-90.55

## Other copper
Bottom Layer:
  pour cut-out: -77,267 8,267 8,219 99,219 99.13,115 -77,115

## Silkscreen, mask and mechanical layers (free items; w line width, h text height)
Bottom Overlay:
  text "1" at -185,-168 h25
  text "18" at 222,-168 h25
Bottom Solder:
  text "NCIAE 摄像头2队" at 187,342 h50
  text "2015 By 天翊" at -53,293 h30
Mechanical 16:
  drawing of 1874 lines, arcs and shapes, not listed
  text "1" at -2234.37,3913.97 h70
  text "2" at 625.63,3913.97 h70
  text "3" at 3505.63,3913.97 h70
  text "4" at 6375.63,3913.97 h70
  text "A" at -3586.37,3007.97 h70
  text "A" at 7713.63,3007.97 h70
  text "B" at -3586.37,1115.97 h70
  text "B" at 7713.63,1115.97 h70
  text "C" at -3586.37,-794.03 h70
  text "C" at 7713.63,-794.03 h70
  text "ENGINEER:" at 3188.63,-2251.03 h45
  text "TITLE:" at 4688.63,-2251.03 h45
  text "PCB DESIGNER:" at 3188.63,-2546.03 h45
  text "D" at -3586.37,-2684.03 h70
  text "D" at 7713.63,-2684.03 h70
  text "DATE:" at 3188.63,-2851.03 h45
  text "PART NO.:" at 4688.63,-2851.03 h45
  text "REV:" at 6788.63,-2851.03 h45
  text "Altium Limited" at 1888.63,-2951.03 h70
  text ".PRINT_DATE" at 3238.63,-2971.03 h70
  text "12a Rodborough Rd" at 1888.63,-3051.03 h70
  text "Frenchs Forest" at 1888.63,-3151.03 h70
  text "FILE NAME:" at 3188.63,-3151.03 h45
  text "DWG NO:" at 4688.63,-3151.03 h45
  text "SCALE:" at 6788.63,-3151.03 h45
  text "NSW 2086" at 1888.63,-3251.03 h70
  text ".PCB_FILE_NAME_NO_PATH" at 3238.63,-3271.03 h70
  text "1" at -2234.37,-3486.03 h70
  text "2" at 625.63,-3486.03 h70
  text "3" at 3505.63,-3486.03 h70
  text "4" at 6375.63,-3486.03 h70

## Dimensions
285.43,-413.39 to 285.43,413.39 on Top Overlay
-523.62,0 to 523.62,0 on Top Overlay